# Altium PCB CameraControler0.6.PcbDoc (part 3 of 3)
Units mil, origin at the board's own origin, x right, y up, seen from the top; angles counter-clockwise.
Board outline 5511.81 x 4409.45 mil, 2 copper layers (Top Layer, Bottom Layer); 294 components, 219 nets, 919 pads, 373 vias.
Unrouted connection lines stored in the file: 189.
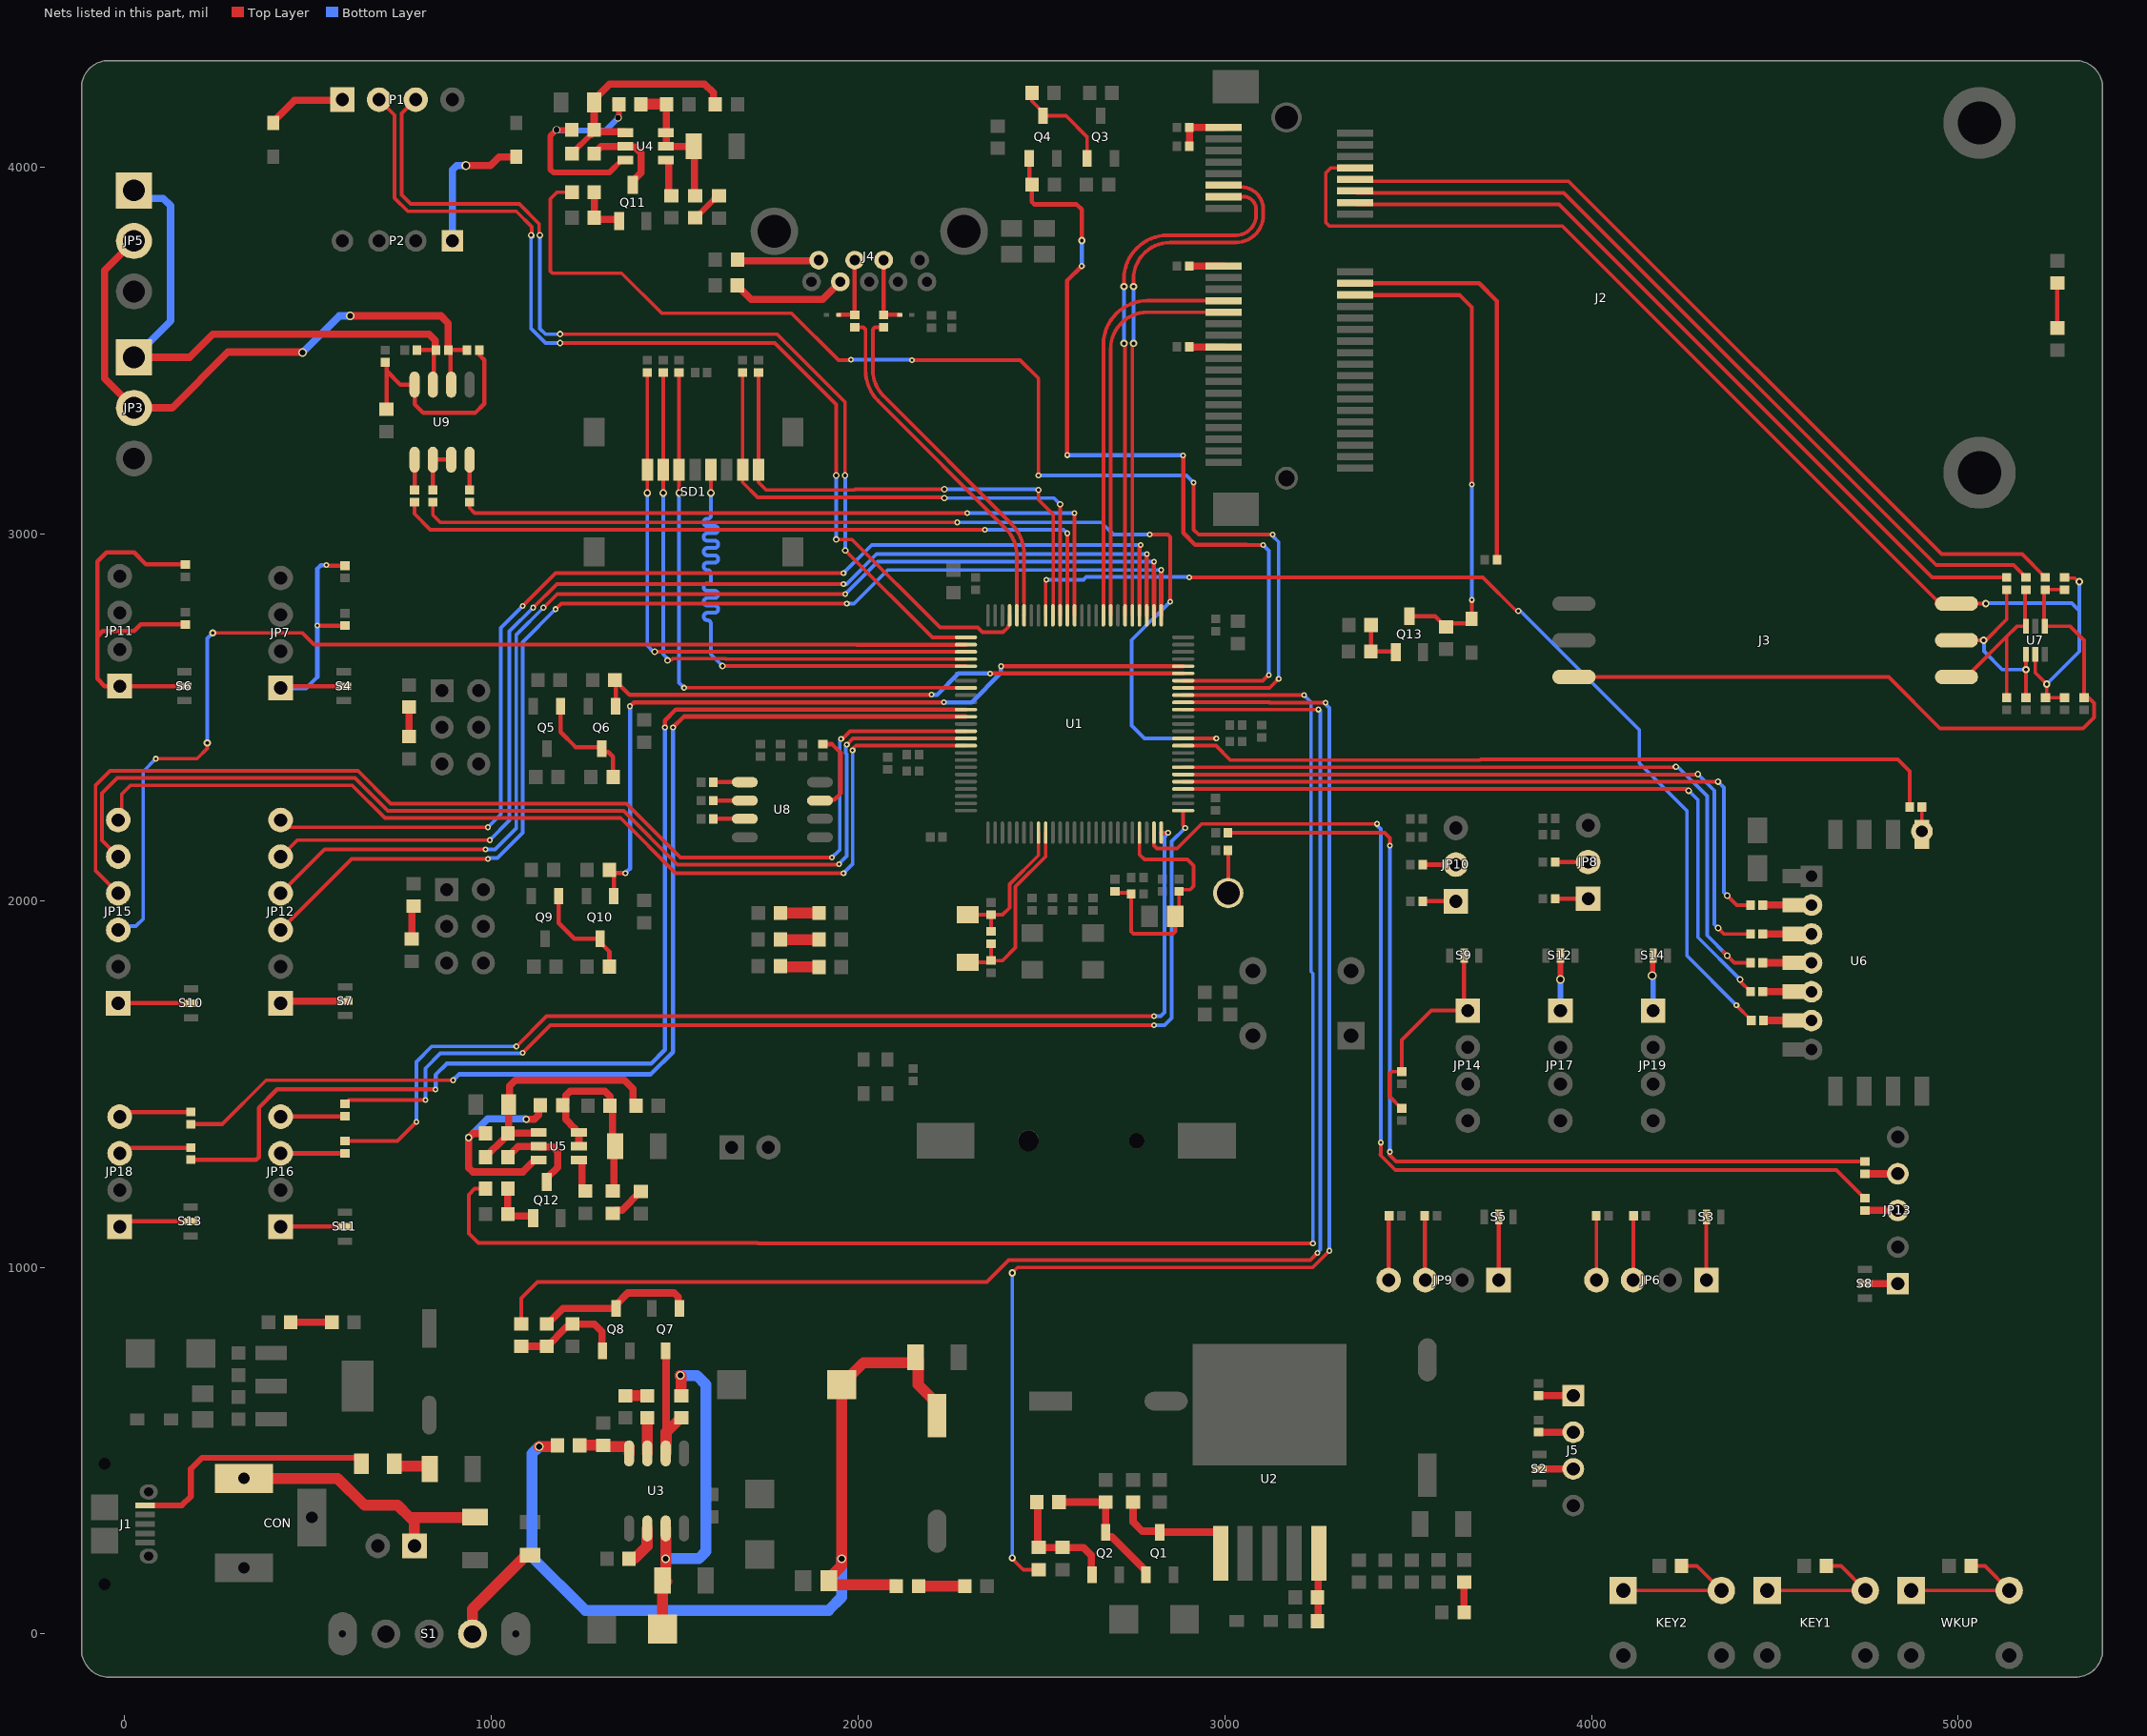
[diagram p3: the nets of this part, all layers, seen from the top]

## Via types
v1: diameter 16, hole 8, Top Layer to Bottom Layer, 142 vias
v2: diameter 20, hole 12, Top Layer to Bottom Layer, 65 vias
v3: diameter 23.62, hole 13.78, Top Layer to Bottom Layer, 54 vias
v4: diameter 24, hole 16, Top Layer to Bottom Layer, 41 vias
v5: diameter 20, hole 10, Top Layer to Bottom Layer, 32 vias
v6: diameter 18, hole 10, Top Layer to Bottom Layer, 26 vias
v7: diameter 16, hole 7.87, Top Layer to Bottom Layer, 7 vias
v8: diameter 157.48, hole 118.11, Top Layer to Bottom Layer, 4 vias
v9: diameter 20, hole 16, Top Layer to Bottom Layer, 2 vias

## Nets (pads, with @x,y where several pads share a name; then routed paths per layer and width w, separated by ;. In a path a pad name is that pad's centre, name@x,y a point inside that pad or via, vN(x,y) a via of type N, cw(c..) or ccw(c..) an arc to the next point about the centre after c; other vN are vias at no path point) (continued)
NetC33_1: C33.1 D10.2 R45.1 U3.7 | length 987.7
  Top Layer w30: D10.2@1466.34,13.58 C33.1@1466.34,145.47 ; U3.7@1475,287.64 v4(1475,205) 1475,146.22 C33.1@1478.11,143.11 ; v4(1515,705) 1516.61,703.39 1516.61,650.67 R45.1@1517.6,649.68
  Bottom Layer w30: v4(1475,205) 1565,205 1585,225 1585,680 1560,705 v4(1515,705)
NetC34_1: C34.1 C35.2 L1.1 R40.2 R41.1 R43.2 | length 2549
  Top Layer w30: v4(1130,511.06) 1176.38,511.06 R40.2@1179.68,514.37 1180,514.05 1179.68,513.74 R40.2@1180,513.42 ; R43.2@2104.13,130 2104.13,130.98 2100.83,134.29 1927.87,134.29 1920.04,142.13 C35.2@1920.04,145 1920.04,151.1 1955,186.06 v4(1955,205) L1.1@1955,680 2014.25,739.25 2149.09,739.25 2156.34,746.5 R41.1@2156.34,754.25 2163.58,747.01 2163.58,679.88 2215,628.46 C34.1@2215,595
  Bottom Layer w30: v4(1130,511.06) 1110,491.06 1110,210 1255.59,64.41 1919.41,64.41 1955,100 v4(1955,205)
NetC37_1: C37.1 R53.2 | length 60
  Top Layer w30: R53.2@1365,649.68 C37.1@1425,649.68
NetC37_2: C37.2 U3.3 | length 96.7
  Top Layer w30: U3.3@1425,492.36 C37.2@1425,589.05
NetC39_1: C39.1 C40.2 R57.1 R60.2 U4.2 U4.3 | length 396.2
  Top Layer w19.68: U4.2@1475.35,4057.2 R57.1@1551.57,4057.2 1553.4,4055.37 1553.4,3924.66 R60.2@1555.23,3922.83 ; U4.2@1476.43,4058.29 C40.2@1476.43,4171.12
  Top Layer w30: C39.1@1407.83,4172.2 C40.2@1477.52,4172.2 C40.2@1476.43,4171.12
NetC39_2: C39.2 R59.1 U4.6 | length 629.9
  Top Layer w15.75: R59.1@1229.72,4112.64 R59.1@1219.29,4102.2 v9(1177.4,4102.2) 1160.23,4085.04 1160.23,3995 1169.61,3985.63 1321.1,3985.63 1355.27,4019.8 U4.6@1365.12,4019.8 ; C39.2@1336.77,4182.64 C39.2@1347.2,4172.2 1347.2,4136.97 v9(1345.23,4135)
  Bottom Layer w15.75: v9(1177.4,4102.2) 1179.6,4100 1310.23,4100 v9(1345.23,4135)
NetC42_1: C42.1 C43.2 R65.1 R67.2 U5.2 U5.3 | length 564
  Top Layer w19.68: U5.2@1238.46,1330 U5.3@1238.46,1367.4 1228.62,1367.4 1226.65,1369.37 1226.65,1379.21 1202.44,1403.42 1202.44,1433.16 C42.1@1193.98,1441.62 1202.44,1450.09 1202.44,1468.47 1213.97,1480 1309.13,1480 1323.23,1465.9 C43.2@1323.23,1440.48 1330.33,1433.37 1330.33,1337.11 R65.1@1337.44,1330 1334.23,1326.79 1334.23,1211.24 R67.2@1331.02,1208.03
NetC42_2: C42.2 R68.1 U5.6 | length 586.9
  Top Layer w19.68: R68.1@983.7,1365 949.44,1365 v2(937.91,1353.47) 937.91,1271.53 949.44,1260 1085.79,1260 1118.39,1292.6 U5.6@1128.23,1292.6 ; v2(1094.68,1403.42) 1094.74,1403.48 1116.71,1403.48 1128.23,1415 1128.23,1436.5 C42.2@1133.35,1441.62
  Bottom Layer w19.68: v2(937.91,1353.47) 989.44,1405 1093.11,1405 v2(1094.68,1403.42)
NetC46_2: C46.2 J3.6 R76.1 R79.2 U7.1 | length 1992.1
  Top Layer w10: J3.6@3951.69,2610 4810,2610 4950,2470 5340,2470 5370,2500 5370,2538.46 5351.73,2556.73 5343.07,2556.73 C46.2@5344.6,2558.27 ; U7.1@5233.86,2754.06 5233.86,2844.88 R79.2@5237.24,2848.27 R76.1@5290,2848.27 ; U7.1@5235.59,2748.19 5305,2748.19 5343.07,2710.12 C46.2@5343.07,2553.46
NetC47_2: C47.2 J3.3 R78.2 U7.3 | length 509.1
  Top Layer w10: J3.3@4995,2610 5021.81,2610 5131.73,2719.92 ; C47.2@5131.73,2553.46 5131.73,2719.92 ; U7.3@5181.95,2753.33 5181.95,2845.73 R78.2@5184.49,2848.27 ; U7.3@5184.41,2748.19 5160,2748.19 5131.73,2719.92
NetC48_2: C48.2 J3.2 R77.2 U7.4 | length 525.7
  Top Layer w10: J3.2@4995,2710 v5(5069.06,2710) 5075.08,2710 5131.73,2766.65 R77.2@5131.73,2848.27 ; U7.4@5184.41,2671.81 5184.45,2671.77 v5(5184.45,2630) 5184.45,2553.5 C48.2@5184.49,2553.46
  Bottom Layer w10: v5(5069.06,2710) 5070,2709.06 5070,2680 5120,2630 v5(5184.45,2630)
NetC53_1: C53.1 R92.2 R101.2 U9.8 | length 635.8
  Top Layer w11.81: C53.1@713.64,3340 713.64,3445 ; R101.2@713.64,3468.07 713.64,3445 ; R92.2@966.91,3501.54 966.91,3488.27 980.17,3475 980.17,3355 955.17,3330 814.39,3330 790.17,3354.21 U9.8@790.17,3407.36 751.28,3407.36 713.64,3445
NetCON_1: CON.1 JP20.1 R26.1 | length 757.5
  Top Layer w30: CON.1@325,424.09 580.65,424.09 653.84,350.9 744.1,350.9 777.21,317.79 ; JP20.1@790,240 790,305 777.21,317.79 ; R26.1@955,318.66 954.13,317.79 777.21,317.79
NetD3_2: D3.2 P1.1 | length 216.5
  Top Layer w20: D3.2@405,4121.46 405,4124.8 462.83,4182.64 591.32,4182.64 P1.1@593.39,4184.7
NetD4_2: D4.2 P2.1 | length 382.8
  Top Layer w20: v4(930,4005) 997.69,4005 1021.23,4028.54 D4.2@1067.57,4028.54
  Bottom Layer w20: P2.1@893.39,3799.25 893.39,3993.28 905.1,4005 v4(930,4005)
NetD14_1: D14.1 J4.3 R134.2 | length 193.4
  Top Layer w11.81: D14.1@1946.54,3597.6 R134.2@1990.63,3597.6 J4.3@1990.63,3746.89
NetD15_1: D15.1 J4.2 R133.2 | length 193.4
  Top Layer w11.81: J4.2@2069.37,3746.89 R133.2@2069.37,3597.6 D15.1@2113.46,3597.6
NetF1_1: F1.1 R25.1 | length 103.4
  Top Layer w30: F1.1@735,464.09 735,462.05 740,457.05 824.29,457.05 R25.1@831.34,450
NetF1_2: F1.2 J1.1 | length 696
  Top Layer w15.75: J1.1@55.43,350.9 155.9,350.9 180,375 180,450 210.13,480.13 632.87,480.13 645,468 F1.2@645,464.09
NetF3_1: F3.1 S1.3 | length 282.9
  Top Layer w30: S1.3@948.11,0 948.11,68.11 F3.1@1100,220
NetF4_1: F4.1 R58.2 R59.2 R136.1 U4.4 | length 646.6
  Top Layer w15.75: R58.2@1219.6,4038.19 R59.2@1271.46,4090.04
  Top Layer w19.68: R58.2@1219.6,4037.2 R58.2@1219.6,4038.19 ; R59.2@1271.46,4090.04 1271.46,4093.74 R59.2@1279.92,4102.2 ; U4.4@1365.12,4094.61 1363.15,4096.57 1285.55,4096.57 R59.2@1279.92,4102.2 ; R136.1@1610.23,4172.2 1604.92,4177.52 1604.92,4203.29 1581,4227.2 1322.42,4227.2 1279.92,4184.7 F4.1@1279.92,4177.2 R59.2@1279.92,4102.2
NetF5_1: F5.1 R66.2 R68.2 R137.1 U5.4 | length 683.3
  Top Layer w19.68: R66.2@983.7,1300 983.7,1300.98 1035.87,1353.15 1035.87,1356.54 R68.2@1044.33,1365 ; R68.2@1047.23,1376.13 F5.1@1047.23,1443.9 1049.88,1446.55 1049.88,1495 1064.88,1510 1362.91,1510 1385.67,1487.24 1385.67,1448.94 R137.1@1394.13,1440.48 ; R68.2@1057.16,1366.2 1127.03,1366.2 U5.4@1128.23,1367.4
NetJ2_1: J2.1 R75.2 R82.2 | length 145.2
  Top Layer w19.68: R82.2@2902.99,4057.2 R75.2@2902.99,4108.7 J2.1@2996.73,4108.7
NetJ2_17: J2.17 R81.2 | length 93.7
  Top Layer w19.68: R81.2@2902.99,3730.75 J2.17@2996.73,3730.75
NetJ2_20: J2.20 R83.1 | length 1112
  Top Layer w11.81: J2.20@3355,3683.5 3693.5,3683.5 3741.73,3635.28 R83.1@3741.73,2930
NetJ2_31: J2.31 R80.2 | length 93.7
  Top Layer w19.68: R80.2@2902.99,3510.28 J2.31@2996.73,3510.28
NetJ4_4: J4.4 R88.2 | length 223.5
  Top Layer w19.68: R88.2@1670.86,3748.09 1674.12,3744.83 1890.14,3744.83 J4.4@1892.2,3746.89
NetJ4_6: J4.6 R89.2 | length 317
  Top Layer w19.68: R89.2@1670.31,3677.83 1670.31,3676.85 1678.78,3668.38 1679.76,3668.38 1708.15,3640 1903.43,3640 J4.6@1951.26,3687.83
NetJ5_1: J5.1 R96.1 | length 95
  Top Layer w20: R96.1@3855,650 J5.1@3950,650
NetJ5_2: J5.2 R97.1 | length 95
  Top Layer w20: R97.1@3855,550 J5.2@3950,550
NetJ5_3: J5.3 S2.2 | length 92.1
  Top Layer w20: S2.2@3857.89,450 J5.3@3950,450
NetJP3_1: JP3.1 JP5.1 R90.1 R94.1 U9.7 | length 1596.2
  Top Layer w11.81: R90.1@796.91,3501.54 R94.1@848.44,3501.54 ; U9.7@840.17,3407.36 843.19,3410.38 R94.1@843.19,3496.28
  Top Layer w20: JP3.1@25,3481.69 176.69,3481.69 240,3545 830,3545 846.63,3528.37 846.63,3503.35 R94.1@848.44,3501.54
  Bottom Layer w20: JP3.1@25,3481.69 125,3581.69 125,3895 105,3915 47.05,3915 JP5.1@25,3937.05
NetJP3_2: JP3.2 JP5.2 R92.1 R94.2 U9.6 | length 1709.9
  Top Layer w11.81: U9.6@890.17,3407.36 887.67,3409.86 887.67,3499.04 885.17,3501.54 R92.1@933.44,3501.54
  Top Layer w20: JP5.2@25,3799.25 -55,3719.25 -55,3423.9 JP3.2@25,3343.9 128.9,3343.9 281.28,3496.28 483.72,3496.28 v4(485,3495) ; v4(615,3595) 861.91,3595 881.91,3575 R94.2@881.91,3501.54
  Bottom Layer w20: v4(485,3495) 585,3595 v4(615,3595)
NetJP6_1: JP6.1 S3.2 | length 172.1
  Top Layer w10: JP6.1@4313,965 S3.2@4313,1137.11
NetJP6_3: JP6.3 R102.1 | length 175.6
  Top Layer w10: JP6.3@4113,965 4113.77,965.77 4113.77,1139.23 R102.1@4114.54,1140
NetJP6_4: JP6.4 R105.1 | length 175
  Top Layer w10: JP6.4@4013,965 R105.1@4013,1140
NetJP7_1: JP7.1 R98.1 R99.1 S4.2 | length 728.8
  Top Layer w11.81: JP7.1@429.89,2584.89 430,2585 S4.2@597.11,2585 ; v1(525,2750) R98.1@600,2750 ; v1@550,2913.47 R99.1@600,2913.47
  Bottom Layer w11.81: JP7.1@425,2580 495,2580 525,2610 v1(525,2750) 525,2905 535,2915 v1(550,2915)
NetJP8_1: JP8.1 R100.1 | length 90
  Top Layer w11.81: R100.1@3900.63,2005.08 JP8.1@3990.63,2005.08
NetJP8_2: JP8.2 R103.1 | length 90
  Top Layer w11.81: R103.1@3900.63,2105.08 JP8.2@3990.63,2105.08
NetJP9_1: JP9.1 S5.2 | length 172.1
  Top Layer w11.81: JP9.1@3746.46,965 S5.2@3746.46,1137.11
NetJP9_3: JP9.3 R112.1 | length 175.7
  Top Layer w11.81: R112.1@3544.73,1140 3545.59,1139.13 3545.59,965.87 JP9.3@3546.46,965
NetJP9_4: JP9.4 R113.1 | length 175.6
  Top Layer w11.81: JP9.4@3446.46,965 3447.22,965.77 3447.22,1139.23 R113.1@3447.99,1140
NetJP10_1: JP10.1 R106.1 | length 90
  Top Layer w11.81: R106.1@3539.7,1998.11 JP10.1@3629.7,1998.11
NetJP10_2: JP10.2 R108.1 | length 90
  Top Layer w11.81: R108.1@3539.7,2098.11 JP10.2@3629.7,2098.11
NetJP11_1: JP11.1 R110.1 R111.1 S6.2 | length 1083.3
  Top Layer w11.81: S6.2@162.11,2585 -10,2585 -55,2585 -75,2605 -75,2720 ; R110.1@165,2753.27 43.27,2753.27 25,2735 -60,2735 -75,2720 ; R111.1@165,2916.73 58.27,2916.73 25,2950 -50,2950 -75,2925 -75,2720
NetJP12_1: JP12.1 S7.2 | length 178.4
  Top Layer w19.68: JP12.1@425,1720 430.63,1725.63 S7.2@601.11,1725.63
NetJP13_1: JP13.1 S8.2 | length 90
  Top Layer w20: S8.2@4745,955 JP13.1@4835,955
NetJP13_3: JP13.3 R115.1 | length 90
  Top Layer w20: R115.1@4745,1155 JP13.3@4835,1155
NetJP13_4: JP13.4 R117.1 | length 90
  Top Layer w20: R117.1@4745,1255 JP13.4@4835,1255
NetJP14_1: JP14.1 R114.1 R116.1 S9.2 | length 598.4
  Top Layer w10: R116.1@3482.5,1433.46 3481.52,1433.46 3448.85,1466.13 3448.85,1527.61 3454.7,1533.46 R114.1@3482.5,1533.46 3482.5,1619.77 3562.73,1700 JP14.1@3662.5,1700
  Top Layer w11.81: S9.2@3652.5,1850 3652.5,1710 JP14.1@3662.5,1700
NetJP15_1: JP15.1 S10.2 | length 199.1
  Top Layer w11.81: JP15.1@-18,1720 S10.2@181.11,1720
NetJP16_1: JP16.1 S11.2 | length 175
  Top Layer w11.81: JP16.1@425,1110.66 S11.2@600,1110.66
NetJP16_3: JP16.3 R118.1 | length 175
  Top Layer w11.81: JP16.3@425,1310.66 R118.1@600,1310.66
NetJP16_4: JP16.4 R119.1 | length 175.6
  Top Layer w11.81: JP16.4@425,1410.66 425.77,1411.43 599.23,1411.43 R119.1@600,1412.2
NetJP17_1: JP17.1 S12.2 | length 150
  Top Layer w15: v4(3915,1785) S12.2@3915,1850
  Bottom Layer w15: JP17.1@3915,1700 v4(3915,1785)
NetJP18_1: JP18.1 S13.2 | length 193.2
  Top Layer w11.81: JP18.1@-14,1125 S13.2@179.23,1125
NetJP18_3: JP18.3 R120.1 | length 194.7
  Top Layer w11.81: JP18.3@-14,1325 -13.13,1325.87 179.13,1325.87 R120.1@180,1326.73
NetJP18_4: JP18.4 R121.1 | length 194.6
  Top Layer w11.81: JP18.4@-14,1425 -12.46,1423.46 R121.1@180,1423.46
NetJP19_1: JP19.1 S14.2 | length 152.1
  Top Layer w15: v4(4165,1795) 4166.25,1796.25 4166.25,1848.75 S14.2@4167.5,1850
  Bottom Layer w15: v4(4165,1795) 4167.5,1792.5 JP19.1@4167.5,1700
NetKEY1_1: KEY1.1 R18.2 | length 401.3
  Top Layer w10: KEY1.1@4478.64,118.58 KEY1.1@4746.36,118.58 4679.94,185 R18.2@4640.32,185
NetKEY2_1: KEY2.1 R19.2 | length 403.8
  Top Layer w10: KEY2.1@4086.14,118.58 KEY2.1@4353.86,118.58 4287.44,185 R19.2@4245.32,185
NetLED1_K: LED1.K R12.2 | length 104.7
  Top Layer w30: LED1.K@1788.31,1966.11 R12.2@1892.99,1966.11
NetLED2_K: LED2.K R13.2 | length 105.4
  Top Layer w30: LED2.K@1787.56,1893.61 R13.2@1892.99,1893.61
NetLED3_K: LED3.K R14.2 | length 106.4
  Top Layer w30: LED3.K@1787.56,1821.11 1788.78,1819.88 1891.77,1819.88 R14.2@1892.99,1818.66
NetLED10_A: LED10.A R72.1 | length 122.6
  Top Layer w11.81: LED10.A@5270,3561.73 R72.1@5270,3684.37
NetLED11_A: LED11.A R27.1 | length 82.5
  Top Layer w20: LED11.A@3652.21,58.54 R27.1@3652.21,141.02
NetLED12_A: LED12.A R43.1 | length 125.9
  Top Layer w30: R43.1@2164.76,130 LED12.A@2290.63,130
NetLED13_A: LED13.A R60.1 | length 89.9
  Top Layer w15.75: R60.1@1556.22,3862.2 LED13.A@1607.76,3913.74
  Top Layer w19.68: R60.1@1555.23,3862.2 R60.1@1556.22,3862.2 ; LED13.A@1607.76,3913.74 1611.77,3913.74 LED13.A@1620.23,3922.2
NetLED14_A: LED14.A R67.1 | length 101.2
  Top Layer w19.68: R67.1@1331.02,1147.4 1339.49,1155.87 1355.47,1155.87 1406.53,1206.93 LED14.A@1407.52,1206.93
NetLED15_A: LED15.A R46.1 | length 92.1
  Top Layer w20: LED15.A@782.66,1895 782.66,1980 R46.1@787.66,1985
NetLED16_A: LED16.A R54.1 | length 80
  Top Layer w20: LED16.A@775.17,2447.63 R54.1@775.17,2527.63
NetLED18_A: LED18.A R126.1 | length 112.2
  Top Layer w19.68: LED18.A@452.52,850 R126.1@564.68,850
NetQ1_1: Q1.1 Q2.3 R32.1 R34.2 | length 378.7
  Top Layer w20: R34.2@2547.52,359.29 R32.1@2674.8,359.29 Q2.3@2674.8,277.48 2674.8,267.64 2677.6,264.84 2691.14,264.84 2784.8,171.18 Q1.1@2784.8,161.34
NetQ1_3: Q1.3 R29.1 U2.1 | length 356
  Top Layer w20: R29.1@2749.61,359.29 2749.61,305.43 2775,280.04 2819.64,280.04 Q1.3@2822.21,277.48 2977.68,277.48 2988.35,266.81 U2.1@2988.35,219.41
NetQ2_1: Q2.1 R34.1 R36.2 R38.2 | length 331.9
  Top Layer w20: R34.1@2486.89,359.29 2489.55,356.63 2489.55,238.21 R36.2@2492.21,235.55 R38.2@2557.21,235.55 2614.45,235.55 2636.03,213.97 2636.03,162.71 Q2.1@2637.4,161.34
NetQ3_1: Q3.1 Q4.3 R35.1 | length 301.4
  Top Layer w10: R35.1@2474.25,4217.2 2474.25,4180.17 2496.81,4157.62 2503.97,4150.45 Q4.3@2503.97,4140.61 2566.85,4140.61 2623.97,4083.48 Q3.1@2623.97,4024.47 ; Q4.3@2497.04,4157.85 Q4.3@2503.97,4150.92
NetQ5_1: Q5.1 Q6.3 R42.1 | length 319.6
  Top Layer w11.81: Q5.1@1188.54,2530.13 1188.54,2459.67 1229.31,2418.91 1294.25,2418.91 1294.25,2430.72 1301.14,2423.83 Q6.3@1301.14,2413.99 1301.14,2412.07 1308.03,2405.18 1318.35,2405.18 1331.46,2392.07 R42.1@1331.46,2337.39
NetQ7_1: Q7.1 Q8.3 R48.2 | length 436.1
  Top Layer w19.68: R48.2@1150.75,845 1151.73,845 1194.8,888.07 Q8.3@1340,888.07 ; 1372.09,930 1497.92,930 1509.45,918.47 1509.45,891.02 Q7.1@1512.4,888.07
  Top Layer w20: Q8.3@1340,888.07 1340,897.91 1372.09,930
NetQ7_3: Q7.3 R45.2 U3.2 | length 338.7
  Top Layer w20: Q7.3@1475,771.93 1476.22,770.71 1476.22,549.29
  Top Layer w30: U3.2@1475,492.36 1476.22,493.58 1476.22,549.29 1516.61,589.69 R45.2@1517.6,589.69
NetQ8_1: Q8.1 R48.1 R50.2 R52.2 | length 306.8
  Top Layer w19.68: R50.2@1080.75,784.37 R48.1@1150.75,784.37 1151.73,784.37 1203.9,836.54 1212.28,836.54 R52.2@1220.75,845 1280,845 1300.91,824.09 1300.91,773.62 Q8.1@1302.6,771.93
NetQ9_1: Q9.1 Q10.3 R55.1 | length 291.2
  Top Layer w11.81: Q9.1@1183.36,2012.38 1183.36,1938.76 1225.88,1896.24 Q10.3@1296.27,1896.24 1296.27,1886.39 1321.58,1861.08 R55.1@1321.58,1819.64
NetQ11_1: Q11.1 R63.2 R64.1 | length 141.2
  Top Layer w19.68: R63.2@1280.24,3932.2 R64.1@1280.23,3862.2 1284.45,3857.99 1343.9,3857.99 1347.83,3854.05 Q11.1@1347.83,3853.78
NetQ11_3: Q11.3 R58.1 U4.5 | length 239.7
  Top Layer w19.68: R58.1@1280.23,4037.2 1280.23,4038.19 1299.25,4057.2 U4.5@1365.12,4057.2 1367.08,4055.24 1390.79,4055.24 1407.83,4038.19 1407.83,3985.63 1385.23,3963.03 Q11.3@1385.23,3952.2
NetQ12_1: Q12.1 R70.2 R71.1 | length 144.2
  Top Layer w19.68: R70.2@1044.33,1214.21 R71.1@1044.33,1145 1049.88,1139.45 1109.84,1139.45 1113.78,1135.51 Q12.1@1113.78,1133.9
NetQ12_3: Q12.3 R66.1 U5.5 | length 250.3
  Top Layer w19.68: R66.1@1044.33,1300 1044.33,1300.98 1073.35,1330 U5.5@1128.23,1330 1130.2,1328.03 1167.52,1328.03 1180.55,1315 1180.55,1272.52 1151.18,1243.15 Q12.3@1151.18,1232.32
NetQ13_1: Q13.1 R73.2 R74.1 | length 141.7
  Top Layer w11.81: R73.2@3398.58,2751.42 3398.58,2680.33 R74.1@3397.83,2679.58 3463.49,2679.58 Q13.1@3465.87,2677.2
  Top Layer w20: R73.2@3398.21,2751.04 R73.2@3398.58,2751.42
NetR5_2: R5.2 TPH.1 | length 137.1
  Top Layer w10: R5.2@3008.46,2136.73 3009.23,2135.96 3009.23,2001.08 TPH.1@3010,2000.32
NetR17_2: R17.2 WKUP.1 | length 398.8
  Top Layer w10: WKUP.1@4871.14,118.58 WKUP.1@5138.86,118.58 5072.44,185 R17.2@5035.32,185
NetR30_1: R30.1 R33.2 U2.5 | length 186
  Top Layer w20: R33.2@3252.52,34.92 3254.29,36.69 3254.29,217.64 U2.5@3256.06,219.41
NetR40_1: R40.1 R47.2 U3.4 | length 154
  Top Layer w30: R40.1@1240.31,514.37 1303.62,514.37 1306.93,511.06 1373.78,511.06 1375,509.84 U3.4@1375,492.36